# KiCad board ulx4m_panel.kicad_pcb (continued)
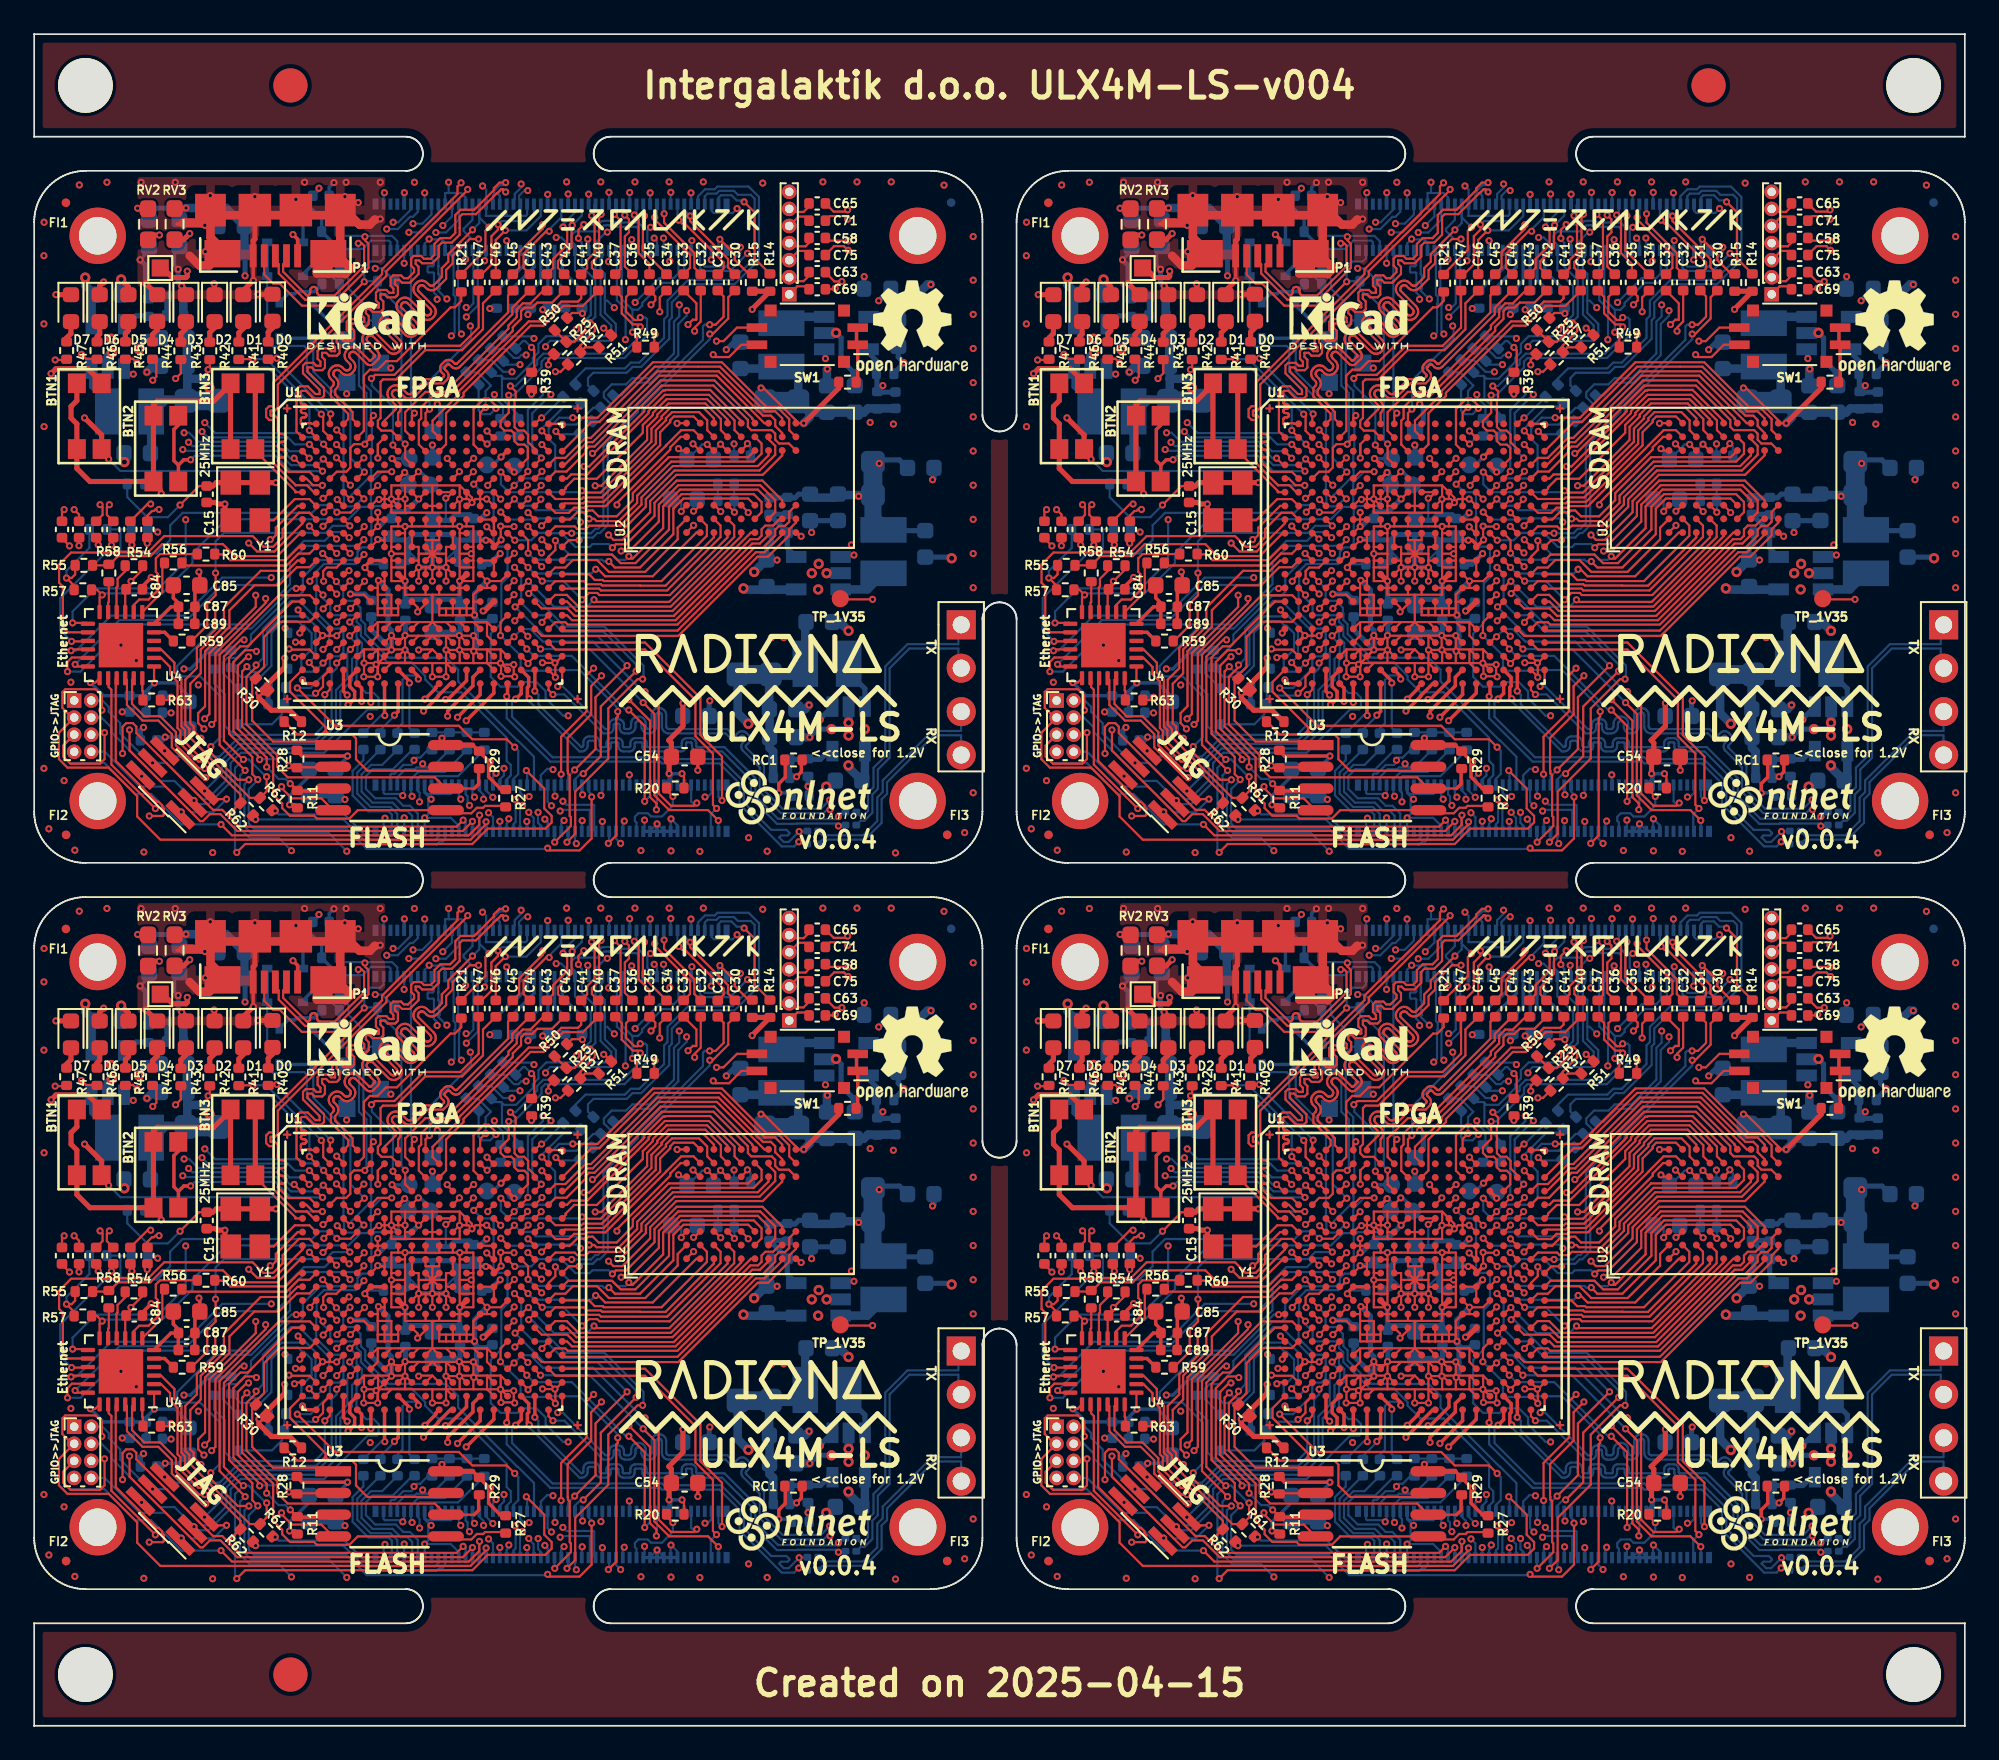
[diagram p0: board, top side]
## Routing (per net, layer and track width the routed paths; a pad name or vN(x,y) marks a point on that pad's centre or on a via; arc(x,y) is an arc through that point) (continued)
Board_3-ETH_3P: length 6.7
  Bottom w0.127: C62.1 76.78,14.02 76.15,13.39 76.15,11.95 77.08,11.02 78.26,11.02 78.45,10.83 78.45,9.93 J1#3.3
Board_3-ETH_MDC: length 24.1
  Top w0.127: U1.J5 76.44,27.3 v1(76.83,27.69) ; U4#4.13 60.6,22.05 v1(59.76,22.05)
  In2signal.Cu w0.127: 74.59,27.28 74.83,27.51 74.83,28.05 74.91,28.13 76.39,28.13 v1(76.83,27.69) ; v1(66.38,28.09) 72.7,28.09 73.51,27.28 74.61,27.28
  Bottom w0.127: v1(59.76,22.05) 59.76,22.72 61.11,24.07 64.79,24.07 66.38,25.66 v1(66.38,28.09)
Board_3-ETH_MDIO: length 24.2
  Top w0.127: R57#3.2 61.19,23.99 v1(61.49,23.69) 61.34,23.54 U4#4.12 ; U1.E6 77.62,30.9 v1(78.44,30.9)
  Bottom w0.127: v1(61.49,23.69) 61.58,23.78 65.01,23.78 66.78,25.55 66.78,26.13 68.77,28.12 75.91,28.12 76.63,28.84 77.08,28.84 77.22,28.98 77.22,30.27 77.85,30.9 v1(78.44,30.9)
Board_3-ETH_nLED1: length 12.6
  Top w0.127: R62#2.1 70.47,10.62 v1(70.47,10.54)
  Bottom w0.127: v1(70.47,10.54) 75.61,10.54 77.08,9.07 81.08,9.07 81.26,9.25 81.43,9.25 81.57,9.39 J1#3.19
Board_3-ETH_nLED2: length 10.9
  Top w0.127: v1(71.62,11.05) 71.49,11.05 R61#2.1
  Bottom w0.127: v1(71.62,11.05) 71.83,10.84 75.68,10.84 77.19,9.33 80.97,9.33 81.17,9.52 J1#3.17
Board_3-ETH_~{RESET}: length 27.1
  Top w0.127: U1.G5 76.03,28.51 75.25,28.51 v1(75.23,28.53) ; U4#4.15 60.62,20.97 v1(59.7,20.97)
  Bottom w0.127: v1(75.23,28.53) 74.82,28.94 74.22,28.94 73.77,28.49 66.2,28.49 65.47,27.76 65.47,26.9 64.69,26.12 62.53,26.12 ; 62.53,26.12 62.56,26.15 62.56,27.52 ; 62.53,26.12 61.66,26.12 59.04,23.5 59.04,21.63 v1(59.7,20.97) ; 62.56,27.52 C83#2.2 ; 62.56,27.52 R53#2.2
Board_3-FPDI_CLK+: length 19.7
  Top w0.127: U1.J20 88.97,27.3 v1(88.97,27.29) ; v1(97.05,39.5) 97.4,39.5 97.87,39.97 97.87,41.16 C31#3.1
  Bottom w0.127: 89.07,27.41 89.18,27.29 90.1,27.29 90.37,27.56 90.52,27.56 90.84,27.87 90.84,29.54 90.83,29.55 90.83,32.36 92.86,34.38 92.86,34.82 96.66,38.62 96.66,39.4 96.76,39.5 v1(97.05,39.5)
Board_3-FPDI_CLK-: length 20
  Top w0.127: U1.K20 88.82,26.89 v1(89.41,26.89) ; C30#3.1 98.14,41.11 98.14,39.86 97.23,38.95 v1(97.06,38.95)
  Bottom w0.127: 89.48,27.04 90.21,27.04 90.48,27.3 90.63,27.3 91.09,27.77 91.09,29.65 91.09,29.65 91.09,32.25 93.11,34.28 93.11,34.71 97.06,38.66 v1(97.06,38.95)
Board_3-FPDI_D0+: length 21.3
  Top w0.127: v1(95.79,39.51) 96.07,39.79 96.28,39.79 96.28,40.75 C33#2.1 ; v1(86.39,30.11) 86.39,30.06 U1.F17
  In2signal.Cu w0.127: v1(95.79,39.51) 95.79,39.3 93.65,37.16 92.94,37.16 91.76,35.98 91.73,35.96 91.71,35.95 91.68,35.94 91.65,35.94 91.63,35.95 91.6,35.96 91.58,35.98 91.47,36.09 91.41,36.14 91.34,36.17 91.26,36.19 91.18,36.19 91.1,36.17 91.03,36.14 90.97,36.09 90.87,35.99 90.82,35.93 90.78,35.85 90.77,35.77 90.77,35.69 90.78,35.62 90.82,35.54 90.87,35.48 90.97,35.38 90.99,35.35 91,35.33 91.01,35.3 91.01,35.27 91,35.25 90.99,35.22 90.97,35.2 90.91,35.13 ; v1(86.39,30.11) 86.01,30.48 86.01,33.95 86.96,34.9 88.81,34.9 88.86,34.9 88.91,34.92 88.95,34.94 88.98,34.98 89.01,35.02 89.02,35.07 89.03,35.12 89.03,35.27 89.04,35.37 89.07,35.47 89.13,35.56 89.2,35.63 89.29,35.68 89.38,35.71 89.48,35.73 89.54,35.73 89.64,35.71 89.73,35.68 89.82,35.63 89.89,35.56 89.95,35.47 89.98,35.37 89.99,35.27 89.99,35.12 90,35.07 90.01,35.02 90.04,34.98 90.07,34.94 90.11,34.92 90.16,34.9 90.21,34.9 90.67,34.9 90.91,35.14
Board_3-FPDI_D0-: length 22
  Top w0.127: U1.G18 87.17,29.25 v1(87.17,29.29) ; C32#2.1 96.53,39.69 96.17,39.33 v1(96.17,39.12)
  In2signal.Cu w0.127: v1(96.17,39.12) 95.97,39.12 93.75,36.91 93.04,36.91 91.92,35.79 91.86,35.74 91.78,35.7 91.71,35.68 91.63,35.68 91.55,35.7 91.48,35.74 91.41,35.79 91.31,35.89 91.29,35.91 91.26,35.92 91.23,35.93 91.21,35.93 91.18,35.92 91.15,35.91 91.13,35.89 91.06,35.82 91.05,35.8 91.03,35.78 91.03,35.75 91.03,35.72 91.03,35.69 91.05,35.67 91.06,35.65 91.17,35.54 91.22,35.48 91.25,35.41 91.27,35.33 91.27,35.25 91.25,35.17 91.22,35.1 91.17,35.04 90.98,34.85 90.77,34.64 90.18,34.64 90.08,34.65 89.99,34.68 89.9,34.73 89.83,34.81 89.77,34.89 89.74,34.99 89.73,35.09 89.73,35.25 89.72,35.29 89.71,35.34 89.68,35.38 89.65,35.42 89.61,35.44 89.56,35.46 89.51,35.47 89.46,35.46 89.41,35.44 89.37,35.42 89.34,35.38 89.31,35.34 89.3,35.29 89.29,35.25 89.29,35.09 89.28,34.99 89.25,34.89 89.19,34.81 89.12,34.73 89.03,34.68 88.94,34.65 88.84,34.64 87.06,34.64 86.27,33.85 86.27,31.64 86.81,31.1 86.81,30.31 86.79,30.29 86.79,29.67 v1(87.17,29.29)
Board_3-FPDI_D1+: length 17
  Top w0.127: v1(93.62,40.67) 93.87,40.92 93.87,41.16 C35#2.1 ; U1.D18 87.2,31.67 v1(87.2,31.7)
  In2signal.Cu w0.127: v1(93.62,40.67) 94.29,40.67 94.64,40.32 94.64,38.73 94.09,38.19 93.12,38.19 91.89,36.96 90.08,36.96 88.76,35.64 87.99,35.64 v1(87.76,35.41)
  Bottom w0.127: v1(87.76,35.41) 86.67,34.32 86.67,32.23 v1(87.2,31.7)
Board_3-FPDI_D1-: length 17
  Top w0.127: v1(94.13,40.26) 94.13,41.1 C34#3.1 ; U1.E17 86.41,30.89 v1(86.41,30.92)
  In2signal.Cu w0.127: v1(94.13,40.26) 94.34,40.05 94.34,38.8 93.99,38.44 93.02,38.44 91.79,37.21 89.98,37.21 88.66,35.9 87.5,35.9 v1(87.29,35.69)
  Bottom w0.127: v1(87.29,35.69) 87.29,35.39 86.41,34.51 v1(86.41,30.92)
Board_3-FPDI_D2+: length 17.1
  Top w0.127: v1(85.39,35.91) 85.7,35.6 85.7,35.12 85.63,35.05 85.63,33.51 85.83,33.31 86.19,33.31 86.43,33.06 86.43,32.62 86.82,32.23 U1.C18 ; C37#3.1 91.9,41.12 91.9,40.16 92.55,39.52 92.84,39.52 v1(92.99,39.37)
  Bottom w0.127: v1(92.99,39.37) 92.99,38.85 91.95,37.8 87.31,37.8 86.96,37.45 86.96,37.18 85.68,35.91 v1(85.39,35.91)
Board_3-FPDI_D2-: length 19.2
  Top w0.127: v1(85.29,35.37) 85.29,34.35 84.81,33.86 84.81,33.53 85.03,33.31 85.44,33.31 85.62,33.13 85.62,32.7 85.83,32.49 86.21,32.49 86.41,32.28 86.41,31.69 U1.D17 ; v1(92.99,39.92) 92.84,39.77 92.65,39.77 92.16,40.27 92.16,41.12 C36#3.1
  Bottom w0.127: v1(92.99,39.92) 93.29,39.92 93.39,39.82 93.39,38.88 92.06,37.55 87.42,37.55 87.21,37.34 87.21,36.99 85.59,35.37 v1(85.29,35.37)
Board_3-GLOBAL_EN: length 18.5
  Top w0.127: v1(97.56,10.49) 96.95,11.09 94.68,11.09 93.82,11.96 93.82,16.73 v1(93.16,17.38) ; v1(87.15,20.52) 86.82,20.85 U1.U18
  Bottom w0.127: J1#3.99 97.57,10.48 v1(97.56,10.49) ; v1(87.15,20.52) 90.02,20.52 v1(93.16,17.38)
Board_3-GN0: length 14.4
  Top w0.127: U1.C11 81.62,32.5 81.62,34.32 82.64,35.34 82.64,35.52 86.56,39.44 87.32,39.44 88.48,40.59 89.63,40.59 C40#2.1
Board_3-GN3: length 14.4
  Top w0.127: U1.C10 80.03,32.49 80.03,33.88 80.17,34.02 80.17,34.66 80.81,35.31 81.7,35.31 85.53,39.14 85.53,39.35 86.01,39.84 86.01,40.29 86.22,40.5 86.67,40.5 86.97,40.79 87.83,40.79 C42.1
Board_3-GN4: length 14
  Top w0.127: U1.A8 78.82,34.33 78.84,34.35 78.9,34.43 78.95,34.52 78.97,34.62 78.97,34.72 78.95,34.82 78.9,34.91 78.84,34.98 78.52,35.31 78.49,35.35 78.47,35.39 78.45,35.44 78.45,35.49 78.47,35.54 78.49,35.58 78.52,35.62 78.56,35.65 78.6,35.67 78.65,35.69 78.7,35.69 78.75,35.67 78.79,35.65 78.83,35.62 79.15,35.3 79.23,35.24 79.32,35.19 79.42,35.17 79.52,35.17 79.62,35.19 79.71,35.24 79.79,35.3 80.55,36.06 81.46,36.06 81.67,36.28 81.72,36.34 81.75,36.41 81.77,36.48 81.77,36.56 81.75,36.63 81.72,36.7 81.67,36.76 81.57,36.87 81.55,36.89 81.54,36.91 81.53,36.93 81.53,36.96 81.54,36.98 81.55,37 81.57,37.02 81.69,37.15 81.71,37.16 81.73,37.17 81.75,37.18 81.78,37.18 81.8,37.17 81.83,37.16 81.85,37.15 81.95,37.04 82.01,36.99 82.08,36.96 82.15,36.94 82.23,36.94 82.31,36.96 82.38,36.99 82.44,37.04 85.5,40.11 85.5,40.5 86.5,41.5 C44#2.1
Board_3-GN5: length 14
  Top w0.127: C46#3.1 83.78,40.75 83.78,39.23 82.56,38.01 80.4,38.01 78.69,36.3 77.93,36.3 77.79,36.16 77.79,34.04 77.63,33.88 77.63,33.51 77.84,33.3 78.42,33.3 U1.B8
Board_3-GND: length 339.2
  Top w0.127: 85.62,27.71 v1(85.6,27.69) ; v1(85.6,27.69) 85.62,27.69 85.64,27.71 ; v1(85.6,27.69) 84.84,27.69 v1(84.82,27.71) ; v1(79.22,21.32) 79.22,21.3 U1.U8 ; v1(79.22,21.32) 79.24,21.3 80.02,21.3 ; v1(79.22,21.32) 79.01,21.11 78.63,21.11 v1(78.42,21.32) ; v1(79.22,21.32) 79.22,21.31 79.22,20.48 ; v1(77.53,19.62) 77.53,19.6 U1.W6 ; v1(77.53,19.62) 77.46,19.7 v1(76.82,19.7) ; v1(77.53,19.62) 77.6,19.7 78.42,19.7 ; v1(77.53,19.62) 77.62,19.53 v1(77.62,18.9) ; v1(77.53,19.62) 77.64,19.73 77.64,20.5 ; 78.42,19.7 79.22,19.7 ; 78.42,19.7 U1.W7 ; 79.22,19.7 80.82,19.7 ; 79.22,19.7 79.22,20.48 ; v1(78.42,20.47) 78.45,20.5 79.24,20.5 79.22,20.48 ; v1(78.42,20.47) 78.42,20.47 v1(78.42,21.32) ; v1(78.42,20.47) 78.39,20.5 77.64,20.5 ; v1(78.42,20.47) 77.62,19.66 v1(77.62,18.9) ; v1(78.42,20.47) 78.39,20.47 U1.V7 ; U1.V20 88.02,19.69 ; 77.63,32.51 v1(77.63,31.7) 77.63,32.51 ; 77.63,32.51 U1.B7 ; v1(83.24,20.39) 83.13,20.5 82.44,20.5 ; v1(83.24,20.39) 83.35,20.5 84.04,20.5 ; v1(83.24,20.39) 83.22,20.37 83.22,19.7 ; v1(83.24,20.39) 83.22,20.41 v1(83.22,21.3) ; v1(83.24,20.39) 83.33,20.39 U1.V14 ; 78.02,26.9 U1.J7 ; 78.02,26.9 77.66,26.9 v1(77.62,26.93) 77.62,26.9 U1.K6 ; 78.02,26.9 U1.K7 ; v1(81.62,25.3) U1.M12 ; v1(81.62,25.3) v1(81.62,24.5) ; v1(81.62,25.3) 81.62,25.7 ; v1(81.62,25.3) 81.22,25.3 ; 77.62,22.9 77.62,23.7 ; 77.62,22.9 78.02,22.9 ; 77.62,22.9 77.62,22.5 78.02,22.5 ; 77.62,23.7 78.42,23.7 78.42,22.9 ; 77.62,23.7 77.62,24.1 ; U1.V13 82.44,20.48 82.42,20.48 ; 84.04,20.5 84.02,20.48 ; 84.04,20.5 84.82,20.5 ; 80.82,19.7 81.62,19.7 ; 80.82,19.7 v1(80.82,18.9) v1(81.62,18.9) 81.62,19.7 ; 81.62,19.7 U1.W12 ; 81.62,19.7 82.42,19.7 ; 81.62,19.7 v1(81.62,20.47) ; U1.D4 v1(75.2,31.71) ; 81.22,22.9 81.62,22.9 ; 81.22,22.9 U1.P11 ; 81.22,22.9 81.22,22.5 81.62,22.5 ; 81.62,22.9 82.02,22.9 ; 81.62,22.9 81.62,22.5 ; U1.G8 v1(78.42,29.3) ; v1(78.42,29.3) 78.42,30.1 79.22,30.1 ; v1(78.42,29.3) 77.72,29.3 v1(77.7,29.27) 77.6,29.27 U1.G6 ; v1(78.42,29.3) 78.82,29.3 ; v1(78.42,29.3) 78.42,28.5 79.22,28.5 ; 81.62,22.5 82.02,22.5 ; v3(71.99,12.47) 71.99,12.39 72.6,11.78 74.32,11.78 U3#3.4 ; 80.82,26.1 v1(80.82,25.3) ; 80.82,26.1 80.02,26.1 ; 80.82,26.1 U1.L11 ; 80.82,26.1 80.82,26.9 ; 80.82,26.1 81.62,26.1 ; 80.82,26.1 U1.K11 ; 80.82,26.1 U1.K10 ; 80.82,26.1 U1.L10 ; v1(80.82,25.3) 80.42,25.3 ; v1(80.82,25.3) v1(80.82,24.5) ; v1(80.82,25.3) 81.22,25.3 ; v1(93.86,38.94) 93.81,38.89 R49#4.2 ; v1(75.25,29.27) U1.G4 ; v1(83.22,21.3) 82.41,21.3 v1(82.39,21.31) ; v1(83.22,21.3) 83.22,21.3 U1.U14 ; U1.U7 78.42,21.3 v1(78.42,21.32) ; v1(77.62,18.9) v1(76.8,18.9) 76.82,18.91 v1(76.82,19.7) ; v1(88,19.71) 88,19.72 U1.V19 ; v1(88,19.71) 87.27,19.71 v1(87.26,19.72) ; v1(88,19.71) 88.02,19.68 v1(88.02,18.87) 88.02,18.9 U1.W19 ; v1(82.39,21.31) 82.39,20.54 82.44,20.5 ; v1(82.39,21.31) 82.38,21.3 81.62,21.3 ; v1(82.39,21.31) 82.4,21.31 U1.U13 ; U1.G15 84.02,29.3 v1(84,29.3) 83.6,29.3 ; v1(84.82,27.71) 84.85,27.71 84.85,27.71 ; v1(84.82,27.71) 84.82,26.94 v1(84.85,26.91) 84.83,26.91 ; U1.V8 79.19,20.47 v1(79.22,20.47) 79.25,20.47 U1.V9 ; 78.02,22.9 U1.P7 ; 78.02,22.9 78.42,22.9 ; 78.02,22.9 78.02,22.5 ; U1.G10 U1.G11 ; 84.02,20.48 84.04,20.48 U1.V15 ; 84.02,20.48 84.02,19.7 ; 80.02,21.3 80.82,21.3 ; 80.02,21.3 U1.U9 ; 80.82,21.3 U1.U10 ; 80.82,21.3 81.62,21.3 ; 80.82,21.3 U1.U11 ; 83.22,22.9 83.22,22.58 v1(83.29,22.51) 83.28,22.5 82.82,22.5 ; 83.22,22.9 83.22,23.28 ; 83.22,22.9 82.82,22.9 ; 82.82,22.9 82.82,22.5 ; 82.82,22.9 82.42,22.9 ; 82.82,22.9 U1.P13 ; 82.82,22.5 82.42,22.5 ; v1(82.41,29.29) 82.42,29.3 82.42,30.1 ; v1(82.41,29.29) 82.42,29.28 82.42,28.5 80.82,28.5 ; v1(82.41,29.29) 82.41,29.29 U1.G12 ; v1(82.41,29.29) 82.42,29.3 82.82,29.3 ; v1(83.14,29.09) 83.14,29.38 82.42,30.1 ; v1(83.14,29.09) 82.95,28.9 U1.G13 ; v1(83.14,29.09) 82.93,29.3 82.82,29.3 ; v1(83.14,29.09) 83.35,29.3 83.6,29.3 ; 82.42,19.7 83.22,19.7 ; 82.42,19.7 82.42,20.48 ; U1.V12 81.65,20.47 v1(81.62,20.47) ; U1.J11 81.22,26.9 80.82,26.9 ; v1(102.41,27.12) 102.19,27.34 U2#4.J1 ; v1(87.22,27.73) 87.58,28.1 U1.H19 ; v1(96.08,32.53) 96.47,32.14 U2#4.B7 ; 82.44,20.5 82.44,20.5 v1(82.41,20.47) v1(81.62,20.47) ; 82.44,20.5 82.42,20.48 ; U1.W15 84.02,19.7 ; 84.02,19.7 84.8,19.7 v1(84.81,19.69) ; 84.02,19.7 83.22,19.7 ; v1(89.6,40.16) 89.58,40.19 88.99,40.19 R50#4.2 ; 77.64,20.5 77.62,20.5 ; 77.62,20.5 U1.V6 ; 77.62,20.5 76.82,20.5 ; 80.42,25.3 v1(80.02,25.3) ; 80.42,25.3 U1.M10 ; v1(81.62,20.47) 81.62,21.26 ; U1.J2 73.62,27.7 v1(73.62,27.71) ; U2#4.D7 98.06,32.14 v1(97.69,32.51) ; 83.22,23.28 83.22,23.7 U1.N14 84.02,24.1 ; 83.22,23.28 83.23,23.3 U1.P14 ; U1.V5 76.82,20.5 ; 76.82,20.5 v1(76.82,19.7) ; 80.82,30.1 80.82,28.5 ; 80.82,30.1 79.22,30.1 ; 80.82,30.1 82.42,30.1 ; 80.82,28.5 79.22,28.5 ; 78.82,29.3 v1(79.22,29.3) ; 78.82,29.3 U1.F8 ; v1(79.22,29.3) 79.22,30.1 ; v1(79.22,29.3) 79.22,28.9 ; 78.42,22.9 78.82,22.9 ; 78.42,22.9 78.42,22.5 ; v1(80.02,25.3) v1(80.02,24.5) ; v1(80.02,25.3) U1.M9 ; v1(80.02,25.3) 80.02,25.7 ; v1(84.81,19.69) 84.89,19.61 v1(85.58,19.61) 85.58,18.95 v1(85.64,18.9) 85.61,18.92 v1(84.84,18.92) 84.84,19.66 v1(84.81,19.69) ; v1(84.81,19.69) 84.82,19.7 84.82,20.5 ; v1(84.81,19.69) 84.82,19.69 U1.W16 ; U1.R4 v1(75.22,22.1) ; 80.82,26.9 80.42,26.9 U1.J10 ; 81.62,26.1 81.62,26.5 U1.K12 U1.J12 ; 81.62,26.1 81.62,25.7 ; 79.22,28.9 79.22,28.5 ; 79.22,28.9 U1.G9 ; U1.U4 v1(75.22,20.5) ; v1(84.03,32.52) 84,32.52 U1.B14 ; 78.82,22.9 78.82,22.5 78.42,22.5 ; 78.82,22.9 U1.P8 ; 83.6,29.3 83.62,29.32 U1.F14 ; 83.6,29.3 83.62,29.28 U1.G14 ; v1(86.42,29.31) 86.42,29.3 U1.G17 ; U2#4.A1 95.7,27.35 v1(96.11,27.76) ; U1.M7 78.02,24.5 ; 78.02,24.5 U1.N7 ; 78.02,24.5 77.62,24.5 ; v1(66.12,10.99) 66.07,10.94 J3#2.1 66.07,10.92 ; 82.42,22.5 82.02,22.5 ; 82.42,22.5 82.42,22.9 ; 78.42,22.5 78.02,22.5 ; v1(84.02,24.5) 84.02,24.1 ; v1(84.02,24.5) 84.82,24.5 U1.M16 ; v1(84.02,24.5) U1.M14 ; 84.02,24.1 U1.N15 ; v1(87.24,22.08) 87.24,22.12 U1.R19 ; 80.02,25.7 80.02,26.1 ; 80.02,25.7 U1.L9 ; 81.62,21.26 81.64,21.28 81.62,21.3 ; 81.62,21.26 81.66,21.26 U1.U12 ; U1.C19 v1(87.23,32.49) ; 81.62,25.7 U1.L12 ; 82.82,29.3 U1.F13 ; 80.02,26.1 80.02,26.5 U1.K9 U1.J9 ; 82.02,22.9 82.02,22.5 ; 82.02,22.9 U1.P12 ; 82.02,22.9 82.42,22.9 ; U2#4.A3 95.39,28.63 v1(95.39,28.57) ; v1(77.66,24.54) 77.66,24.54 77.62,24.5 ; v1(65.53,17.69) 65.37,17.54 R63#2.2 ; v1(73.65,24.48) 73.65,24.53 U1.M2 ; U1.F7 U1.G7 ; v1(90.85,39.3) 90.88,39.3 R51#4.2 ; U1.N6 77.62,24.1 ; 77.62,24.1 77.62,24.5 ; 84.82,20.5 U1.V16 ; U2#4.C3 97.33,28.94 v1(97.7,28.57) ; 84.03,26.89 v1(83.95,26.89) 83.94,26.9 83.62,26.9 ; v1(86.62,35.43) 86.63,35.44 R39#3.2 ; 83.62,26.9 U1.J14 ; 83.62,26.9 U1.K14 ; U2#4.E3 99.31,28.53 v1(99.31,28.5) ; 81.22,25.3 U1.M11
  Top w0.2: U1.G7 78.42,28.9 ; C85.2 67.2,24.98 v1(67.16,25.03) ; v1(77.77,45.69) 77.73,45.64 77.49,45.64 ; v1(70.34,42.09) 70.33,42.1 70.33,43.23 ; 66.8,45.48 66.72,45.4 65.87,45.4 ; C89.2 66.91,22.98 C87.2 66.92,24.26 66.94,24.28 ; 96.36,14.26 v3(96.36,13.42) ; v1(84.85,26.91) 84.43,26.5 U1.K15 84.42,26.65 84.18,26.89 v1(83.95,26.89) ; C84.2 63.85,24.19 v1(64.36,24.71)
  Top w0.3: v1(70.62,41.28) 70.62,41.28 D0#3.1 ; v1(68.05,41.89) 68.07,41.87 D2#4.1 ; 78.44,20.51 78.42,20.5 v1(78.42,20.47) ; v1(58.78,41.26) 58.78,41.25 D7#4.1 ; 84.02,26.89 83.96,26.89 v1(83.95,26.89) ; 75.43,45.91 75.43,46.73 v1(75.7,47) ; Y1#3.2 68.68,28.4 v3(68.68,29.01) 68.24,29.01 68.15,29.1 C15#4.2 ; 67.83,45.91 67.83,47.05 v1(67.82,47.06) ; v1(70.34,42.09) 69.75,41.5 D1#2.1 ; D6#3.1 61.35,41.76 v1(61.58,42) ; 70.33,43.23 70.33,44.42 70.43,44.52 v1(70.43,47) ; v1(66.15,41.77) 66.39,41.53 D3#3.1 ; v1(72.83,46.83) 72.83,46.83 72.83,45.91 ; v2(62.6,42.15) 63.03,41.72 D5#2.1 ; v1(88,19.71) 88.01,19.69 88.02,19.69 ; D4#3.1 64.7,41.25 v3(64.04,41.92)
  Top w0.5: 74.73,43.36 75.48,43.36 75.97,42.87 75.97,42.73 75.71,42.47 75.68,42.5 74.06,42.5 74.06,42.69 74.73,43.36 ; 74.73,43.36 74.73,43.56 75.43,44.26 75.43,45.91 ; 74.73,43.36 74.73,42.51 74.72,42.5 ; 74.73,43.36 75.43,43.36 ; 66.8,45.48 66.27,45.48 66.22,45.43 67.36,45.43 67.83,45.91 ; 66.61,43.54 67.18,42.97 67.76,42.97 68.15,43.36 68.53,43.36 68.53,43.91 67.83,44.61 67.83,45.91 ; 67.83,45.91 75.43,45.91 ; 75.43,45.91 76,45.91 76.55,45.36 77.16,45.36 77.45,45.64 77.49,45.64
  Bottom w0.127: 85.2,45.87 83.95,45.87 83.97,45.88 J2.32 83.97,47.41 v1(83.76,47.62) ; 85.2,45.87 86.29,45.87 86.37,45.95 86.37,46.41 ; 85.2,45.87 85.17,45.9 J2.38 ; v1(90.77,10.43) 90.77,10.42 J1#3.65 ; v1(84.18,40.45) 84.2,40.46 R17.1 ; J1#3.60 89.57,12.03 v1(89.61,11.99) ; J2.26 82.77,46.94 82.51,47.21 81.78,47.21 ; 81.78,47.21 81.57,47.21 ; 81.78,47.21 81.77,47.22 v1(81.77,47.84) ; C14#2.2 79.32,25.48 79.42,25.58 ; v1(78.39,36.97) 78.11,37.25 D8#2.2 ; J2.56 88.77,47.14 v3(88.77,47.15) ; J2.73 92.37,44.35 v3(92.49,44.47) ; v3(87.57,47.13) 87.57,47.12 J2.50 ; v1(88.53,10.49) 88.37,10.33 J1#3.53 ; R48.2 R52#2.2 84.5,32.99 v1(84.03,32.52) ; v3(91.16,47.25) 91.17,47.24 J2.68 ; J1#3.7 79.17,10.64 v1(79.17,10.64) ; v1(80.37,10.64) 80.58,10.85 80.58,11.89 80.37,12.1 J1#3.14 ; v1(80.37,10.64) 80.37,10.64 J1#3.13 ; v1(80.37,10.64) 81.9,10.64 82.37,10.17 J1#3.23 ; v3(98.66,46.3) 98.4,46.04 97.3,46.04 97.17,46.17 J2.98 ; J1#3.1 77.97,10.54 v1(78.05,10.62) ; J2.19 81.57,44.3 81.38,44.49 80.65,44.49 v3(80.63,44.51) 80.37,44.25 80.37,43.7 ; J2.37 85.17,44.41 v3(85.17,44.41) ; v1(96.78,11.86) 96.93,11.86 97.17,12.1 J1#3.98 ; 79.42,26.9 79.42,26.92 ; 83.22,22.45 83.27,22.51 v1(83.29,22.51) ; v1(88,11.91) 87.97,11.94 J1#3.52 ; 83.43,20.71 83.43,20.72 83.4,20.74 ; D9#2.2 75.82,35.48 v1(75.8,35.46) ; v3(93.57,47.22) 93.57,47.21 J2.80 ; v1(92.35,13.16) 92.37,13.14 J1#3.74 ; J1#3.14 80.37,12.11 v1(80.75,11.73) ; J1#3.14 80.37,12.19 80.52,12.04 81.9,12.04 81.97,12.1 J1#3.22 ; C80#2.2 v1(98.48,32.53) ; J1#3.66 90.77,12.03 v1(90.69,11.95) ; J1#3.2 77.97,12.1 78.03,12.04 78.99,12.04 v1(79.09,11.94) ; 80.37,46.41 80.37,47.21 v1(80.37,47.22) ; J2.61 89.97,44.46 v3(89.92,44.51) ; v1(92.05,10.45) 91.97,10.36 J1#3.71 ; v3(92.37,47.24) 92.37,47.23 J2.74 ; v3(95.96,47.22) 95.97,47.21 J2.92 ; v3(89.97,47.14) 89.97,47.13 J2.62 ; C79#3.2 C81#4.2 97.48,29.14 97.48,28.79 v1(97.7,28.57) ; v1(82.76,43.33) 82.77,43.33 J2.25 ; J2.86 94.77,47.23 v3(94.78,47.25) ; J2.55 88.77,44.2 88.37,44.61 v1(88.07,44.61) ; v3(97.15,43.3) 97.17,43.32 J2.97 ; J1#3.42 85.97,12.1 86.18,11.89 v1(86.48,11.89) ; C83#2.1 64.59,27.52 v3(64.74,27.37) ; J1#3.33 84.37,9.85 84.37,10.68 v1(84.11,10.94) ; J2.79 93.57,44.21 93.4,44.37 93.4,45.02 v1(93.58,45.2) ; J1#3.59 89.57,10.45 v1(89.59,10.48) ; 82.22,26.33 81.62,25.73 v1(81.62,25.3) ; J2.67 91.17,43.22 v3(91.13,43.19) ; J2.7 v1(79.17,43.1) ; 97.27,31.62 97.27,32.09 v1(97.69,32.51) ; 83.97,12.71 83.97,12.23 v1(84.36,11.84) ; J2.20 81.57,47.21 ; v1(86.35,10.43) 86.37,10.41 J1#3.43 ; J2.91 95.97,44.38 v1(96.01,44.43) ; C82#2.2 95.23,29.29 95.39,29.12 v1(95.39,28.57) ; 79.11,11.94 v1(79.09,11.94) ; v1(79.09,11.94) 79.17,12.02 J1#3.8 ; v1(94.72,43.22) 94.77,43.26 J2.85 ; v1(80.02,25.3) 80.02,25.65 79.42,26.25 79.42,26.33 ; J2.31 83.97,43.33 v1(83.88,43.24) ; 83.97,26.89 v1(83.95,26.89)
  Bottom w0.2: J2.8 79.17,47.21 v1(79.18,47.23) ; v1(65.53,16.78) 65.51,16.8 C88#4.2 ; C38#4.2 67.55,45.27 v1(67.5,45.32) ; v1(89.6,40.16) 89.58,40.18 R9#3.1 89.62,40.44 ; v1(62.66,16.84) 62.68,16.83 C86.2 ; 102.85,11.95 102.85,12.44 v3(102.81,12.48) ; v1(63.71,43.3) 64.24,43.83 C49.2 ; v1(65.53,17.69) 65.43,17.79 C90#2.2 ; C18#4.2 74.78,47.54 v1(75.06,47.82) ; v3(65.94,42.74) 65.73,42.95 65.73,43.78 C53#4.2
  Bottom w0.3: v1(97.06,17.49) 97.02,17.45 C16#4.2 ; 83.22,22.45 83.41,22.27 ; 83.41,22.27 83.41,22.13 ; 83.41,22.27 83.29,22.38 v1(83.29,22.51) 83.29,23.77 v1(84.02,24.5) ; C25.2 83.24,26.92 83.26,26.9 ; v1(63.71,43.3) 64.04,42.97 v3(64.04,41.92) 64.2,41.76 64.2,40.98 ; 83.41,22.13 84.02,22.13 84.19,22.3 C29#2.2 ; 83.41,22.13 83.41,21.25 ; v1(67.53,43.77) 67.56,43.74 C48#4.2 ; C13.2 82.26,25.48 82.22,25.52 82.22,26.9 ; C97#3.2 111.15,25.9 v2(111.22,25.83) ; C98#4.2 110.19,30.51 v1(110.1,30.43) ; v1(81.62,25.3) v1(80.82,25.3) ; v1(80.82,25.3) 80.82,27.17 80.86,27.22 ; v1(80.82,25.3) v1(80.02,25.3) ; v2(63.64,38.05) 63.64,38.26 64.1,38.72 ; v1(98.02,38.04) 98.47,38.48 C24#4.2 ; v1(79.22,21.32) 79.24,21.33 C27#3.2 ; v1(77.62,26.93) 77.63,26.93 78.44,26.93 ; C28#4.2 82.44,21.36 v1(82.39,21.31) 82.2,21.5 C17#2.2 ; 83.41,21.25 83.4,20.74 ; 83.41,21.25 83.36,21.3 v1(83.22,21.3) ; C9#2.2 108.09,37.61 v3(108.42,37.27) 108.42,37.25 107.8,36.63 ; C50#2.2 C51.2 75.5,11.92 v3(75.7,11.71) ; v2(104.19,15.83) 103.39,15.83 v3(102.91,15.36) ; 105.53,36.67 104.75,37.45 104.75,38.73 v2(104.45,39.03) ; v1(77.66,24.54) 78.22,23.98 78.22,21.81 78.42,21.6 v1(78.42,20.47) 77.25,21.64 77.25,22.43 ; 102.81,13.1 v3(102.81,12.48) ; v3(81.11,34.86) 81.32,34.65 81.32,33.73 C19.2 ; 82.22,26.9 81.9,27.22 80.86,27.22 ; 82.22,26.9 84.02,26.9 ; v1(63.91,15.93) 63.73,15.75 C21#2.2 ; C52.2 106.95,40.9 v1(106.95,40.9) ; 79.42,25.58 79.42,26.9 78.45,26.9 ; 80.86,27.22 79.72,27.22 79.42,26.92 ; v1(83.24,20.39) 83.24,20.52 83.43,20.71 ; 84.02,26.9 83.96,26.9 v1(83.95,26.89) ; 84.02,26.9 83.26,26.9 ; v1(101,25.73) 100.99,25.73 C76#2.2 100.39,26.55 100.67,26.83 100.67,27.33 ; v1(66.15,41.77) 65.94,41.98 v3(65.94,42.74) ; 83.11,26.9 83.12,26.9 83.26,26.9 ; C96#2.2 104.55,28.03 C95#3.2 103.02,27.94 v1(103.02,27.34) ; 104.16,12.82 104.16,12.56
  Bottom w0.5: C76#2.2 100.36,25.73 v2(99.66,25.03) ; U6.2 61.82,37.63 v2(62.05,37.86) ; C23#4.2 62.77,31.48 v2(62.79,31.46) ; C7#4.2 105.55,36.65 105.53,36.67 ; v2(103.9,24.96) 103.91,24.95 104.72,24.95 ; C8#3.2 103.92,36.88 v3(103.94,36.9) ; C12#3.2 64.47,37.09 v3(64.11,36.73) ; C22.2 104.67,22.1 v2(105.18,21.58) ; U5.2 105.19,16.21 v2(105.19,16.21) ; C3#3.2 v3(102.91,15.36) ; U7.2 104.48,39.01 ; v3(102.88,17.24) 102.63,16.99 C4#2.2 ; C11#4.2 64.1,38.72 ; C5#3.2 104.06,12.46 v2(103.88,12.46) ; C1.2 v2(62.6,42.15)
  vias: v1(58.09,45.5) v1(58.08,43.54) v1(58.08,39.55) v1(58.09,33.54) v1(58.08,13.54) v1(58.37,10) v1(59.26,12.82) v1(59.66,18.58) v1(59.89,8.75) v1(60.15,47.68) v1(61.77,47.84) v1(62.59,20.75) v1(63.49,19.85) v1(63.77,47.84) v1(63.93,8.64) v1(65.77,47.84) v1(67.96,8.61) v1(73.34,47.84) v1(75.77,47.84) v1(76.48,46.65) v1(77.77,47.84) v1(79.77,47.84) v1(88.68,47.86) v1(90.68,47.86) v1(92.68,47.86) v1(93.03,8.73) v1(94.68,47.86) v1(94.79,8.71) v1(96.48,8.68) v1(96.68,47.86) v1(99.33,9.48) v1(100.16,47.79) v1(100.42,8.69) v1(100.66,21.18) v1(101.39,21.18) v1(103.68,47.86) v1(105.35,26.61) v1(105.68,47.86) v1(106.45,33.78) v1(107.68,47.86) v1(107.81,33.68) v1(107.93,8.59) v1(110.77,47.67) v1(111.98,9.78) v1(112.48,44.66) v1(112.48,42.11) v1(112.48,40.11) v1(112.48,38.11) v1(112.48,36.11) v1(112.48,34.11) v1(112.48,32.11) v1(112.48,30.11) v1(112.48,28.11) v1(112.48,26.11) v1(112.48,24.11) v1(112.48,12.11) v2(62.02,38.68) v2(103.03,24.96) v2(103.44,25.51) v2(103.41,24.01) v2(105.19,15.46) v2(106.14,15.83)
Board_3-GP0: length 13.4
  Top w0.127: C41#4.1 89.53,41.04 89.34,40.85 88.37,40.85 87.22,39.69 86.46,39.69 82.39,35.62 82.39,35.44 80.83,33.88 80.83,33.29 U1.B11
Board_3-GP3: length 13.3
  Top w0.127: C43#2.1 87.31,41.5 86.56,40.75 86.12,40.75 85.76,40.39 85.76,39.94 85.27,39.46 85.27,39.27 81.57,35.57 80.42,35.57 79.23,34.38 79.23,33.29 U1.B9
Board_3-GP4: length 13.9
  Top w0.127: U1.A7 78.02,33.89 78.64,34.51 78.67,34.55 78.69,34.59 78.7,34.64 78.7,34.69 78.69,34.74 78.67,34.79 78.64,34.82 78.32,35.15 78.26,35.22 78.21,35.32 78.19,35.41 78.19,35.51 78.21,35.61 78.26,35.7 78.32,35.78 78.36,35.82 78.44,35.88 78.53,35.93 78.63,35.95 78.73,35.95 78.82,35.93 78.91,35.88 78.99,35.82 79.31,35.5 79.35,35.47 79.4,35.45 79.45,35.44 79.5,35.44 79.55,35.45 79.59,35.47 79.63,35.5 80.45,36.32 81.35,36.32 81.48,36.44 81.49,36.46 81.5,36.48 81.51,36.51 81.51,36.53 81.5,36.55 81.49,36.58 81.48,36.6 81.37,36.7 81.32,36.76 81.29,36.83 81.27,36.91 81.27,36.98 81.29,37.06 81.32,37.13 81.37,37.19 81.52,37.34 81.58,37.39 81.65,37.42 81.73,37.44 81.81,37.44 81.88,37.42 81.95,37.39 82.01,37.34 82.11,37.24 82.13,37.22 82.16,37.21 82.18,37.2 82.2,37.2 82.23,37.21 82.25,37.22 82.27,37.24 82.93,37.9 85.25,40.22 85.25,41.22 C45#4.1
Board_3-GP5: length 14.6
  Top w0.127: U1.C8 78.51,32.41 v1(78.51,32.46) ; C47#2.1 83.53,39.34 82.46,38.27 80.3,38.27 78.6,36.56 77.46,36.56 v1(77.25,36.36)
  Bottom w0.127: 77.28,36.42 77.28,35.94 78.51,34.71 v1(78.51,32.46)
Board_3-GPIO2: length 19.7
  Top w0.127: v1(85.63,25.3) 86.02,24.91 U1.M17 ; v1(92.75,19.23) 90.68,17.16 90.68,14.25 v1(89.65,13.22)
  Bottom w0.127: v1(89.65,13.22) 89.5,13.22 89.17,12.89 J1#3.58 ; v1(85.63,25.3) 86.02,24.91 86.02,23.23 86.75,22.5 87.47,22.5 88.43,21.54 90.83,21.54 92.75,19.62 v1(92.75,19.23)
Board_3-GPIO3: length 16.9
  Top w0.127: v1(92.22,19.55) 90.37,17.7 90.37,14.66 v1(89.15,13.44) ; U1.P17 85.71,22.99 v1(85.66,22.99)
  Bottom w0.127: v1(89.15,13.44) 88.77,13.06 J1#3.56 ; v1(92.22,19.55) 90.5,21.27 87.38,21.27 v1(85.66,22.99)
Board_3-GPIO4: length 14.9
  Top w0.127: U1.P16 85.22,23.32 v1(85.6,23.7) ; v1(88.36,13.19) 88.36,15.38 89.86,16.89 89.86,19 v1(90.26,19.4)
  In2signal.Cu w0.127: v1(90.26,19.4) 90.2,19.4 88.4,21.2 88.4,21.58 86.99,22.99 86.23,22.99 85.6,23.62 v1(85.6,23.7)
  Bottom w0.127: J1#3.54 88.37,13.18 v1(88.36,13.19)
Board_3-GPIO5: length 46.6
  Top w0.127: v1(72.85,24.07) 72.88,24.1 U1.N1
  In2signal.Cu w0.127: v1(67.85,14.81) 67.85,14.48 64.95,11.58 64.41,11.58 63.85,11.01 63.85,10.58 64.08,10.35 64.42,10.35 64.6,10.53 65.28,10.53 65.95,9.85 69.17,9.85 69.38,10.07 80.73,10.07 81.58,10.91 83.11,10.91 83.39,11.19 83.77,11.19 83.91,11.34 84.43,11.34 84.76,11.67 84.76,13.04 v1(84.55,13.25)
  Bottom w0.127: v1(67.85,14.81) 68.41,15.37 68.41,17.74 67.23,18.92 66.16,18.92 65.88,19.2 65.88,19.53 68.07,21.72 70.22,21.72 72.57,24.07 v1(72.85,24.07) ; v1(84.55,13.25) 84.37,13.07 J1#3.34
Board_3-GPIO6: length 21.3
  Top w0.127: U1.R1 72.96,22.76 v1(72.96,22.81)
  In2signal.Cu w0.127: 83.81,11.82 83.82,11.82 v1(83.82,11.73) 83.74,11.8 83.74,14.17 84.14,14.57 84.14,16.27 82.78,17.63 82.78,19.04 82.01,19.81 78.32,19.81 78.25,19.75 78,19.75 76.85,20.9 75.79,20.9 74.21,20.9 73.32,21.79 73.32,22.45 v1(72.96,22.81)